# KiCad board PiEEG.kicad_pcb (continued)
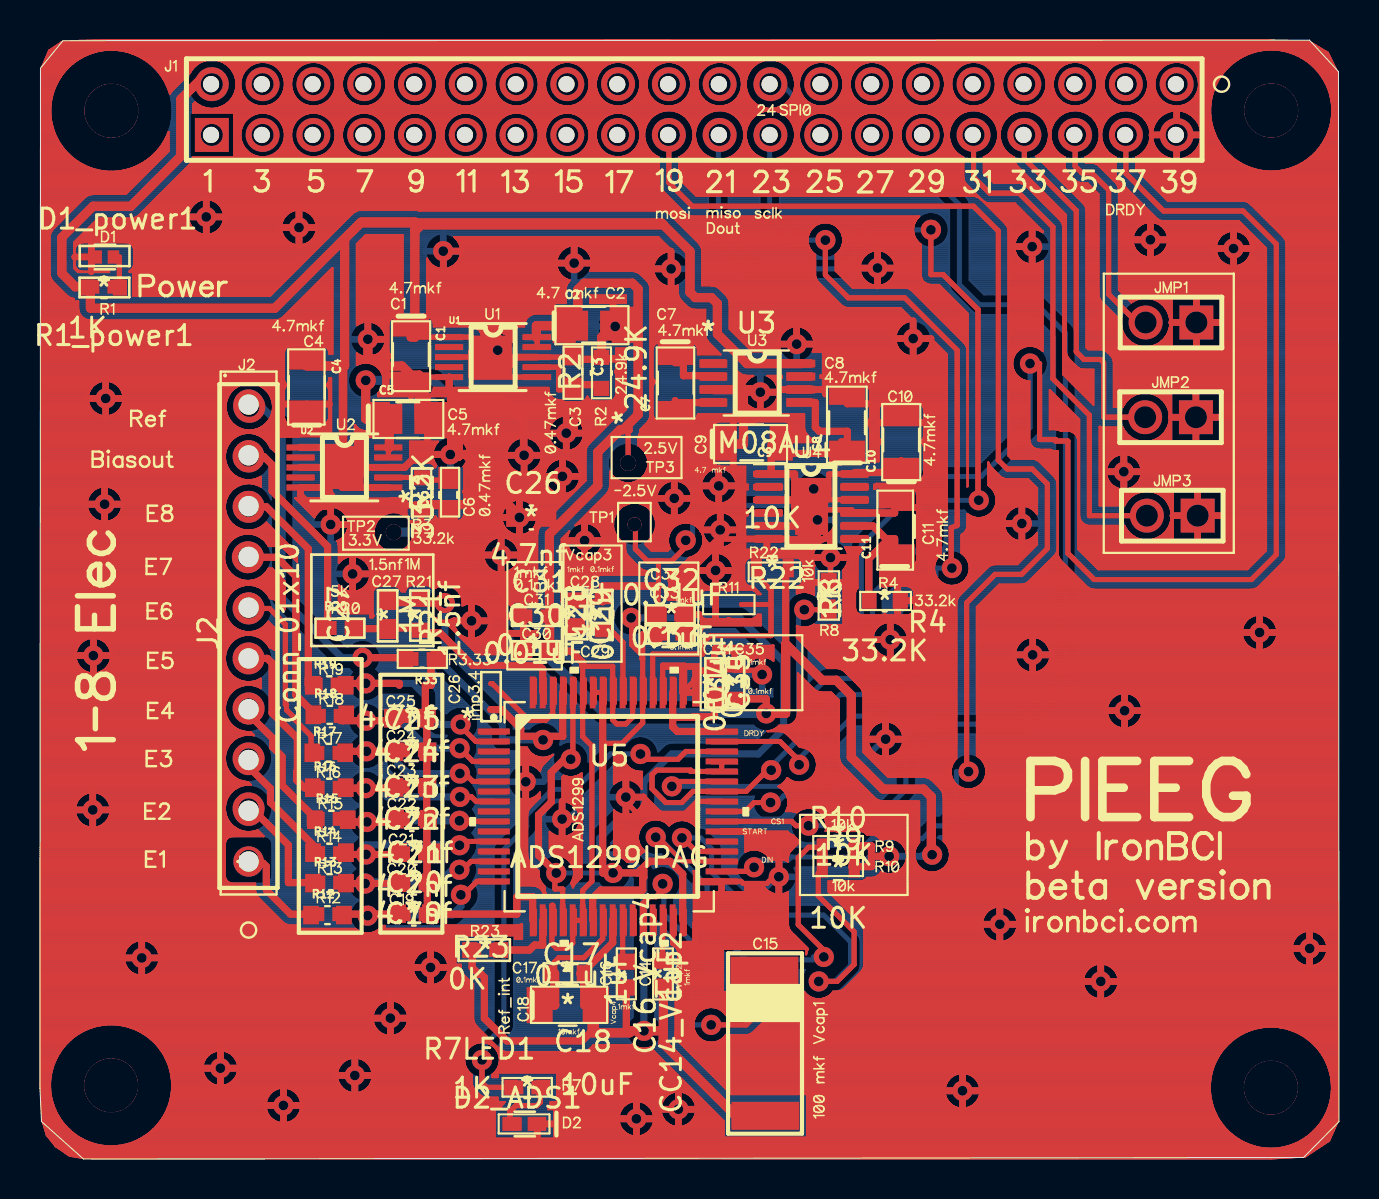
[diagram p0: board, top side]
## Routing (per net, layer and track width the routed paths; a pad name or vN(x,y) marks a point on that pad's centre or on a via; arc(x,y) is an arc through that point) (continued)
9.53,36.91 ; 21.96,5.83 22.01,5.84 ; 21.96,5.83 21.91,5.82 ; 21.96,5.83 21.91,5.82 ; 21.96,5.83 22.01,5.84 ; 22.01,5.84 22.06,5.85 ; 22.01,5.84 22.06,5.85 ; 39.18,52.66 39.08,52.66 ; 39.18,52.66 39.08,52.66 ; 39.18,52.66 39.27,52.68 ; 39.18,52.66 39.27,52.68 ; 39.08,52.66 38.98,52.66 ; 39.08,52.66 38.98,52.66 ; 12.2,38.45 12.21,38.49 ; 12.2,38.45 12.21,38.49 ; 12.2,38.45 12.2,37.13 ; 12.2,38.45 12.2,37.13 ; 12.21,38.49 12.22,38.53 ; 12.21,38.49 12.22,38.53 ; 25.97,15.19 26.02,15.18 ; 25.97,15.19 26.02,15.18 ; 25.97,15.19 25.92,15.2 ; 25.97,15.19 25.92,15.2 ; 26.02,15.18 26.07,15.17 ; 26.02,15.18 26.07,15.17 ; 36.61,13.3 36.54,13.33 ; 36.61,13.3 36.54,13.33 ; 36.61,13.3 36.67,13.27 ; 36.61,13.3 36.67,13.27 ; 36.54,13.33 36.48,13.36 ; 36.54,13.33 36.48,13.36 ; 49.19,25.99 49.25,26.02 ; 49.19,25.99 49.13,25.95 ; 49.19,25.99 49.13,25.95 ; 49.19,25.99 49.25,26.02 ; 49.25,26.02 49.32,26.05 ; 49.25,26.02 49.32,26.05 ; 26.32,35.42 26.25,35.43 ; 26.32,35.42 26.39,35.43 ; 26.32,35.42 26.25,35.43 ; 26.32,35.42 26.39,35.43 ; 26.25,35.43 26.18,35.44 ; 26.25,35.43 26.18,35.44 ; 40.88,52.94 40.81,53 ; 40.88,52.94 40.81,53 ; 40.88,52.94 40.96,52.87 ; 40.88,52.94 40.96,52.87 ; 40.81,53 40.74,53.08 ; 40.81,53 40.74,53.08 ; 33.15,28.82 33.11,28.87 ; 33.15,28.82 33.21,28.77 ; 33.15,28.82 33.11,28.87 ; 33.15,28.82 33.21,28.77 ; 33.11,28.87 33.06,28.93 ; 33.11,28.87 33.06,28.93 ; 25.5,33.53 25.45,33.58 ; 25.5,33.53 25.55,33.48 ; 25.5,33.53 25.45,33.58 ; 25.5,33.53 25.55,33.48 ; 25.45,33.58 25.41,33.64 ; 25.45,33.58 25.41,33.64 ; 35.42,15.44 35.47,15.45 ; 35.42,15.44 35.47,15.45 ; 35.42,15.44 35.37,15.42 ; 35.42,15.44 35.37,15.42 ; 35.47,15.45 35.52,15.46 ; 35.47,15.45 35.52,15.46 ; 38.14,17.52 38.19,17.53 ; 38.14,17.52 38.1,17.5 ; 38.14,17.52 38.19,17.53 ; 38.14,17.52 38.1,17.5 ; 38.19,17.53 38.24,17.55 ; 38.19,17.53 38.24,17.55 ; 11.24,52.34 11.33,52.33 ; 11.24,52.34 11.14,52.35 ; 11.24,52.34 11.33,52.33 ; 11.24,52.34 11.14,52.35 ; 11.33,52.33 11.43,52.31 ; 11.33,52.33 11.43,52.31 ; 51.42,40.09 51.4,40.12 ; 51.42,40.09 51.44,40.05 ; 51.42,40.09 51.4,40.12 ; 51.42,40.09 51.44,40.05 ; 51.4,40.12 51.38,40.15 ; 51.4,40.12 51.38,40.15 ; 17.29,41.05 17.29,40.98 ; 17.29,41.05 17.29,40.98 ; 17.29,41.05 17.29,41.12 ; 17.29,41.05 17.29,41.12 ; 17.29,40.98 17.29,40.91 ; 17.29,40.98 17.29,40.91 ; 51.81,52.47 51.91,52.46 ; 51.81,52.47 51.71,52.47 ; 51.81,52.47 51.91,52.46 ; 51.81,52.47 51.71,52.47 ; 51.91,52.46 52.01,52.45 ; 51.91,52.46 52.01,52.45 ; 2.07,1.02 1.94,1.1 ; 2.07,1.02 1.94,1.1 ; 17.2,53.25 17.15,53.16 ; 17.2,53.25 17.15,53.16 ; 17.2,53.25 17.24,53.34 ; 17.2,53.25 17.24,53.34 ; 17.15,53.16 17.09,53.08 ; 17.15,53.16 17.09,53.08 ; 9.44,18.19 9.5,18.27 ; 9.44,18.19 9.39,18.1 ; 9.44,18.19 9.5,18.27 ; 9.44,18.19 9.39,18.1 ; 9.5,18.27 9.56,18.35 ; 9.5,18.27 9.56,18.35 ; 54.33,23.32 54.4,23.31 ; 54.33,23.32 54.26,23.32 ; 54.33,23.32 54.4,23.31 ; 54.33,23.32 54.26,23.32 ; 54.4,23.31 54.46,23.3 ; 54.4,23.31 54.46,23.3 ; 22.3,29.76 22.27,29.82 ; 22.3,29.76 22.34,29.7 ; 22.3,29.76 22.27,29.82 ; 22.3,29.76 22.34,29.7 ; 22.27,29.82 22.24,29.89 ; 22.27,29.82 22.24,29.89 ; 30.02,34.01 29.97,33.97 ; 30.02,34.01 30.21,34.2 ; 30.02,34.01 30.21,34.2 ; 30.02,34.01 29.97,33.97 ; 29.97,33.97 29.91,33.94 ; 29.97,33.97 29.91,33.94 ; 35.28,30.49 35.28,32.21 ; 35.28,30.49 37.45,30.49 ; 35.28,30.49 37.45,30.49 ; 35.28,30.49 35.28,32.21 ; 35.28,32.21 35.4,32.21 ; 35.28,32.21 35.4,32.21 ; 30.25,34.25 30.21,34.2 ; 30.25,34.25 30.28,34.3 ; 30.25,34.25 30.21,34.2 ; 30.25,34.25 30.28,34.3 ; 28.19,29.23 30.42,29.23 ; 28.19,29.23 30.42,29.23 ; 28.19,29.23 28.09,29.23 ; 28.19,29.23 28.09,29.23 ; 30.42,29.23 30.42,29.41 ; 30.42,29.23 30.42,29.41 ; 26.52,30.41 26.48,30.47 ; 26.52,30.41 26.56,30.36 ; 26.52,30.41 26.56,30.36 ; 26.52,30.41 26.48,30.47 ; 26.48,30.47 26.45,30.53 ; 26.48,30.47 26.45,30.53 ; 10.79,26.41 10.69,26.39 ; 10.79,26.41 10.88,26.45 ; 10.79,26.41 10.88,26.45 ; 10.79,26.41 10.69,26.39 ; 10.69,26.39 10.59,26.37 ; 10.69,26.39 10.59,26.37 ; 21.52,26.03 21.45,26.04 ; 21.52,26.03 21.45,26.04 ; 21.52,26.03 21.59,26.03 ; 21.52,26.03 21.59,26.03 ; 21.45,26.04 21.38,26.06 ; 21.45,26.04 21.38,26.06 ; 36.82,50.03 36.72,50.01 ; 36.82,50.03 36.92,50.06 ; 36.82,50.03 36.92,50.06 ; 36.82,50.03 36.72,50.01 ; 32.55,50.66 32.5,50.57 ; 32.55,50.66 32.5,50.57 ; 32.55,50.66 32.59,50.75 ; 32.55,50.66 32.59,50.75 ; 32.5,50.57 32.44,50.49 ; 32.5,50.57 32.44,50.49 ; 51.3,49.47 51.29,49.51 ; 51.3,49.47 51.29,49.51 ; 51.3,49.47 51.32,49.44 ; 51.3,49.47 51.32,49.44 ; 51.29,49.51 51.28,49.55 ; 51.29,49.51 51.28,49.55 ; 13.59,47.23 13.64,47.18 ; 13.59,47.23 13.54,47.28 ; 13.59,47.23 13.54,47.28 ; 13.59,47.23 13.64,47.18 ; 13.64,47.18 13.68,47.12 ; 13.64,47.18 13.68,47.12 ; 41.22,9.61 41.21,9.58 ; 41.22,9.61 41.23,9.65 ; 41.22,9.61 41.21,9.58 ; 41.22,9.61 41.23,9.65 ; 41.21,9.58 41.19,9.54 ; 41.21,9.58 41.19,9.54 ; 46.91,32.07 46.86,32.07 ; 46.91,32.07 46.86,32.07 ; 46.91,32.07 46.96,32.07 ; 46.91,32.07 46.96,32.07 ; 46.86,32.07 46.81,32.08 ; 46.86,32.07 46.81,32.08 ; 28.18,52.07 28.26,52.14 ; 28.18,52.07 28.26,52.14 ; 28.18,52.07 28.11,52 ; 28.18,52.07 28.11,52 ; 28.26,52.14 28.34,52.19 ; 28.26,52.14 28.34,52.19 ; 26.4,33.3 26.33,33.28 ; 26.4,33.3 26.47,33.33 ; 26.4,33.3 26.47,33.33 ; 26.4,33.3 26.33,33.28 ; 26.33,33.28 26.26,33.27 ; 26.33,33.28 26.26,33.27 ; 16.95,50.4 16.87,50.33 ; 16.95,50.4 17.02,50.46 ; 16.95,50.4 17.02,50.46 ; 16.95,50.4 16.87,50.33 ; 16.87,50.33 16.79,50.28 ; 16.87,50.33 16.79,50.28 ; 36.9,30.1 37.83,30.1 ; 36.9,30.1 37.83,30.1 ; 36.9,30.1 36.84,30.09 ; 36.9,30.1 36.84,30.09 ; 37.83,30.1 37.89,30.09 ; 37.83,30.1 37.89,30.09 ; 33.32,28.69 33.26,28.73 ; 33.32,28.69 33.38,28.66 ; 33.32,28.69 33.26,28.73 ; 33.32,28.69 33.38,28.66 ; 33.26,28.73 33.21,28.77 ; 33.26,28.73 33.21,28.77 ; 54.13,33.49 54.06,33.5 ; 54.13,33.49 54.2,33.49 ; 54.13,33.49 54.2,33.49 ; 54.13,33.49 54.06,33.5 ; 54.06,33.5 53.99,33.52 ; 54.06,33.5 53.99,33.52 ; 0.91,2.17 0.84,2.3 ; 0.91,2.17 0.99,2.04 ; 0.91,2.17 0.84,2.3 ; 0.91,2.17 0.99,2.04 ; 0.84,2.3 0.77,2.43 ; 0.84,2.3 0.77,2.43 ; 38.78,52.31 38.88,52.33 ; 38.78,52.31 38.68,52.28 ; 38.78,52.31 38.88,52.33 ; 38.78,52.31 38.68,52.28 ; 38.88,52.33 38.98,52.34 ; 38.88,52.33 38.98,52.34 ; 3.36,31.88 3.29,31.87 ; 3.36,31.88 3.43,31.89 ; 3.36,31.88 3.29,31.87 ; 3.36,31.88 3.43,31.89 ; 3.29,31.87 3.22,31.87 ; 3.29,31.87 3.22,31.87 ; 12.39,3.55 12.46,3.53 ; 12.39,3.55 12.46,3.53 ; 12.39,3.55 12.32,3.56 ; 12.39,3.55 12.32,3.56 ; 12.46,3.53 12.53,3.5 ; 12.46,3.53 12.53,3.5 ; 6.34,53.74 6.4,53.6 ; 6.34,53.74 6.27,53.87 ; 6.34,53.74 6.4,53.6 ; 6.34,53.74 6.27,53.87 ; 6.4,53.6 6.45,53.46 ; 6.4,53.6 6.45,53.46 ; 15.96,5.05 16.03,5.03 ; 15.96,5.05 15.89,5.06 ; 15.96,5.05 16.03,5.03 ; 15.96,5.05 15.89,5.06 ; 16.03,5.03 16.09,5 ; 16.03,5.03 16.09,5 ; 47.14,19.94 47.17,19.9 ; 47.14,19.94 47.11,19.98 ; 47.14,19.94 47.11,19.98 ; 47.14,19.94 47.17,19.9 ; 47.17,19.9 47.2,19.86 ; 47.17,19.9 47.2,19.86 ; 42.49,53.08 42.42,53 ; 42.49,53.08 42.55,53.16 ; 42.49,53.08 42.55,53.16 ; 42.49,53.08 42.42,53 ; 42.42,53 42.35,52.94 ; 42.42,53 42.35,52.94 ; 47.44,29.64 47.47,29.66 ; 47.44,29.64 47.41,29.61 ; 47.44,29.64 47.47,29.66 ; 47.44,29.64 47.41,29.61 ; 47.47,29.66 47.5,29.68 ; 47.47,29.66 47.5,29.68 ; 60.25,26.81 60.28,26.87 ; 60.25,26.81 60.28,26.87 ; 60.28,26.87 60.33,26.93 ; 60.28,26.87 60.33,26.93 ; 64.39,10.67 64.39,10.6 ; 64.39,10.67 64.39,10.6 ; 64.39,10.67 64.37,10.74 ; 64.39,10.67 64.37,10.74 ; 64.39,10.6 64.4,10.53 ; 64.39,10.6 64.4,10.53 ; 28.34,54.73 28.43,54.78 ; 28.34,54.73 28.43,54.78 ; 28.43,54.78 28.52,54.82 ; 28.43,54.78 28.52,54.82 ; 53.64,35.07 53.69,35.11 ; 53.64,35.07 53.59,35.02 ; 53.64,35.07 53.69,35.11 ; 53.64,35.07 53.59,35.02 ; 53.69,35.11 53.75,35.15 ; 53.69,35.11 53.75,35.15 ; 25.24,34.16 25.24,34.23 ; 25.24,34.16 25.24,34.09 ; 25.24,34.16 25.24,34.09 ; 25.24,34.16 25.24,34.23 ; 25.24,34.23 25.25,34.3 ; 25.24,34.23 25.25,34.3 ; 63.81,50.37 63.71,50.26 ; 63.81,50.37 63.91,50.48 ; 63.81,50.37 63.91,50.48 ; 63.81,50.37 63.71,50.26 ; 63.71,50.26 63.59,50.16 ; 63.71,50.26 63.59,50.16 ; 28.67,31.62 28.67,31.92 ; 28.67,31.62 28.67,31.56 ; 28.67,31.62 28.67,31.92 ; 28.67,31.62 28.67,31.56 ; 28.67,31.92 28.68,31.98 ; 28.67,31.92 28.68,31.98 ; 0.82,5.05 0.89,5.18 ; 0.82,5.05 0.89,5.18 ; 0.82,5.05 0.76,4.91 ; 0.82,5.05 0.76,4.91 ; 0.89,5.18 0.97,5.31 ; 0.89,5.18 0.97,5.31 ; 30.5,16.94 30.55,16.96 ; 30.5,16.94 30.45,16.93 ; 30.5,16.94 30.45,16.93 ; 30.5,16.94 30.55,16.96 ; 30.55,16.96 30.6,16.97 ; 30.55,16.96 30.6,16.97 ; 27.59,31.76 27.65,31.73 ; 27.59,31.76 27.52,31.79 ; 27.59,31.76 27.52,31.79 ; 27.59,31.76 27.65,31.73 ; 27.65,31.73 27.71,31.7 ; 27.65,31.73 27.71,31.7 ; 44.19,36.04 44.17,36 ; 44.19,36.04 44.17,36 ; 44.19,36.04 44.2,36.08 ; 44.19,36.04 44.2,36.08 ; 44.17,36 44.15,35.97 ; 44.17,36 44.15,35.97 ; 52.71,54.39 52.76,54.3 ; 52.71,54.39 52.65,54.47 ; 52.71,54.39 52.76,54.3 ; 52.71,54.39 52.65,54.47 ; 52.76,54.3 52.8,54.21 ; 52.76,54.3 52.8,54.21 ; 46.45,18.49 46.4,18.49 ; 46.45,18.49 46.5,18.49 ; 46.45,18.49 46.5,18.49 ; 46.45,18.49 46.4,18.49 ; 46.4,18.49 46.35,18.5 ; 46.4,18.49 46.35,18.5 ; 23.69,40.87 23.72,40.81 ; 23.69,40.87 23.65,40.94 ; 23.69,40.87 23.72,40.81 ; 23.69,40.87 23.65,40.94 ; 23.72,40.81 23.74,40.75 ; 23.72,40.81 23.74,40.75 ; 48.29,31.45 48.26,31.52 ; 48.29,31.45 48.26,31.52 ; 48.29,31.45 48.32,31.39 ; 48.29,31.45 48.32,31.39 ; 48.26,31.52 48.25,31.58 ; 48.26,31.52 48.25,31.58 ; 46,28.76 45.95,28.74 ; 46,28.76 46.04,28.78 ; 46,28.76 46.04,28.78 ; 46,28.76 45.95,28.74 ; 45.95,28.74 45.91,28.72 ; 45.95,28.74 45.91,28.72 ; 11.22,26.66 11.14,26.6 ; 11.22,26.66 11.29,26.73 ; 11.22,26.66 11.29,26.73 ; 11.22,26.66 11.14,26.6 ; 11.14,26.6 11.06,26.54 ; 11.14,26.6 11.06,26.54 ; 46.67,4.13 46.73,4.09 ; 46.67,4.13 46.61,4.17 ; 46.67,4.13 46.61,4.17 ; 46.67,4.13 46.73,4.09 ; 46.73,4.09 46.78,4.04 ; 46.73,4.09 46.78,4.04 ; 37.77,53.88 37.77,53.77 ; 37.77,53.88 37.77,53.77 ; 37.77,53.88 37.75,53.98 ; 37.77,53.88 37.75,53.98 ; 37.77,53.77 37.77,53.72 ; 37.77,53.77 37.77,53.72 ; 27.17,36.59 27.19,36.52 ; 27.17,36.59 27.19,36.52 ; 27.17,36.59 27.15,36.65 ; 27.17,36.59 27.15,36.65 ; 27.19,36.52 27.21,36.45 ; 27.19,36.52 27.21,36.45 ; 50.72,51.87 50.78,51.96 ; 50.72,51.87 50.78,51.96 ; 50.72,51.87 50.67,51.79 ; 50.72,51.87 50.67,51.79 ; 50.78,51.96 50.84,52.04 ; 50.78,51.96 50.84,52.04 ; 32.2,33.81 32.25,33.77 ; 32.2,33.81 32.25,33.77 ; 32.2,33.81 32.14,33.85 ; 32.2,33.81 32.14,33.85 ; 32.25,33.77 32.31,33.73 ; 32.25,33.77 32.31,33.73 ; 37.62,21.77 37.57,21.75 ; 37.62,21.77 37.66,21.8 ; 37.62,21.77 37.66,21.8 ; 37.62,21.77 37.57,21.75 ; 37.57,21.75 37.53,21.73 ; 37.57,21.75 37.53,21.73 ; 38.33,26.6 38.28,26.59 ; 38.33,26.6 38.38,26.6 ; 38.33,26.6 38.28,26.59 ; 38.33,26.6 38.38,26.6 ; 38.28,26.59 38.23,26.59 ; 38.28,26.59 38.23,26.59 ; 9.32,17.13 9.29,17.23 ; 9.32,17.13 9.36,17.04 ; 9.32,17.13 9.36,17.04 ; 9.32,17.13 9.29,17.23 ; 9.29,17.23 9.27,17.33 ; 9.29,17.23 9.27,17.33 ; 19.01,8.87 18.95,8.91 ; 19.01,8.87 19.06,8.83 ; 19.01,8.87 18.95,8.91 ; 19.01,8.87 19.06,8.83 ; 18.95,8.91 18.9,8.96 ; 18.95,8.91 18.9,8.96 ; 43.71,28.42 43.73,28.38 ; 43.71,28.42 43.7,28.45 ; 43.71,28.42 43.7,28.45 ; 43.71,28.42 43.73,28.38 ; 43.73,28.38 43.73,28.34 ; 43.73,28.38 43.73,28.34 ; 60.63,0.67 60.49,0.71 ; 60.63,0.67 60.77,0.62 ; 60.63,0.67 60.49,0.71 ; 60.63,0.67 60.77,0.62 ; 60.49,0.71 60.35,0.77 ; 60.49,0.71 60.35,0.77 ; 21.77,6.71 21.75,6.75 ; 21.77,6.71 21.75,6.75 ; 21.77,6.71 21.8,6.68 ; 21.77,6.71 21.8,6.68 ; 21.75,6.75 21.73,6.79 ; 21.75,6.75 21.73,6.79 ; 39.39,38.73 39.43,38.75 ; 39.39,38.73 39.36,38.7 ; 39.39,38.73 39.36,38.7 ; 39.39,38.73 39.43,38.75 ; 39.43,38.75 39.46,38.77 ; 39.43,38.75 39.46,38.77 ; 11.3,2.55 11.29,2.62 ; 11.3,2.55 11.29,2.62 ; 33.14,5.93 33.1,5.96 ; 33.14,5.93 33.19,5.91 ; 33.14,5.93 33.1,5.96 ; 33.14,5.93 33.19,5.91 ; 33.1,5.96 33.06,5.98 ; 33.1,5.96 33.06,5.98 ; 25.34,13.21 25.32,13.24 ; 25.34,13.21 25.37,13.18 ; 25.34,13.21 25.37,13.18 ; 25.34,13.21 25.32,13.24 ; 25.32,13.24 25.3,13.28 ; 25.32,13.24 25.3,13.28 ; 25.87,44.55 25.85,44.62 ; 25.87,44.55 25.85,44.62 ; 25.87,44.55 25.89,44.49 ; 25.87,44.55 25.89,44.49 ; 25.85,44.62 25.84,44.69 ; 25.85,44.62 25.84,44.69 ; 25.36,20.1 25.31,20.09 ; 25.36,20.1 25.41,20.11 ; 25.36,20.1 25.31,20.09 ; 25.36,20.1 25.41,20.11 ; 25.31,20.09 25.26,20.08 ; 25.31,20.09 25.26,20.08 ; 10.02,53.72 10.02,53.82 ; 10.02,53.72 10.03,53.62 ; 10.02,53.72 10.03,53.62 ; 10.02,53.72 10.02,53.82 ; 10.02,53.82 10.03,53.92 ; 10.02,53.82 10.03,53.92 ; 38.34,52.07 38.42,52.14 ; 38.34,52.07 38.27,52 ; 38.34,52.07 38.42,52.14 ; 38.34,52.07 38.27,52 ; 38.42,52.14 38.5,52.19 ; 38.42,52.14 38.5,52.19 ; 12.42,45.89 12.37,45.93 ; 12.42,45.89 12.48,45.85 ; 12.42,45.89 12.48,45.85 ; 12.42,45.89 12.37,45.93 ; 12.37,45.93 12.32,45.98 ; 12.37,45.93 12.32,45.98 ; 16.22,52.35 16.32,52.34 ; 16.22,52.35 16.32,52.34 ; 16.22,52.35 16.12,52.34 ; 16.22,52.35 16.12,52.34 ; 16.32,52.34 16.41,52.33 ; 16.32,52.34 16.41,52.33 ; 51.38,54.82 51.48,54.85 ; 51.38,54.82 51.29,54.78 ; 51.38,54.82 51.48,54.85 ; 51.38,54.82 51.29,54.78 ; 51.48,54.85 51.58,54.87 ; 51.48,54.85 51.58,54.87 ; 29.29,14.95 29.33,14.91 ; 29.29,14.95 29.25,14.98 ; 29.29,14.95 29.33,14.91 ; 29.29,14.95 29.25,14.98 ; 29.33,14.91 29.36,14.87 ; 29.33,14.91 29.36,14.87 ; 31.42,30.8 31.41,30.85 ; 31.42,30.8 31.43,30.75 ; 31.42,30.8 31.41,30.85 ; 31.42,30.8 31.43,30.75 ; 31.41,30.85 31.41,30.9 ; 31.41,30.85 31.41,30.9 ; 53.38,52.04 53.45,52.11 ; 53.38,52.04 53.32,51.96 ; 53.38,52.04 53.45,52.11 ; 53.38,52.04 53.32,51.96 ; 53.45,52.11 53.52,52.18 ; 53.45,52.11 53.52,52.18 ; 47.93,51.23 47.93,51.13 ; 47.93,51.23 47.93,51.34 ; 47.93,51.23 47.93,51.13 ; 47.93,51.23 47.93,51.34 ; 47.93,51.13 47.91,51.03 ; 47.93,51.13 47.91,51.03 ; 2.52,37.59 2.49,37.65 ; 2.52,37.59 2.56,37.53 ; 2.52,37.59 2.56,37.53 ; 2.52,37.59 2.49,37.65 ; 2.49,37.65 2.46,37.71 ; 2.49,37.65 2.46,37.71 ; 36.68,30.05 36.73,30.06 ; 36.68,30.05 36.65,30.07 ; 36.68,30.05 36.65,30.07 ; 36.68,30.05 36.73,30.06 ; 36.73,30.06 36.79,30.08 ; 36.73,30.06 36.79,30.08 ; 15.73,52.77 15.64,52.82 ; 15.73,52.77 15.82,52.73 ; 15.73,52.77 15.64,52.82 ; 15.73,52.77 15.82,52.73 ; 15.64,52.82 15.56,52.87 ; 15.64,52.82 15.56,52.87 ; 19.94,44.56 19.88,44.58 ; 19.94,44.56 19.88,44.58 ; 19.94,44.56 20.01,44.54 ; 19.94,44.56 20.01,44.54 ; 19.88,44.58 19.81,44.6 ; 19.88,44.58 19.81,44.6 ; 32.08,42.93 32.05,42.96 ; 32.08,42.93 32.31,42.7 ; 32.08,42.93 32.05,42.96 ; 32.08,42.93 32.31,42.7 ; 32.05,42.96 32.02,43 ; 32.05,42.96 32.02,43 ; 9.25,17.52 9.25,17.62 ; 9.25,17.52 9.26,17.43 ; 9.25,17.52 9.26,17.43 ; 9.25,17.52 9.25,17.62 ; 9.25,17.62 9.26,17.72 ; 9.25,17.62 9.26,17.72 ; 53.75,35.15 53.81,35.18 ; 53.75,35.15 53.81,35.18 ; 53.81,35.18 53.88,35.21 ; 53.81,35.18 53.88,35.21 ; 7.56,49.85 7.54,49.81 ; 7.56,49.85 7.59,49.89 ; 7.56,49.85 7.59,49.89 ; 7.56,49.85 7.54,49.81 ; 7.54,49.81 7.51,49.77 ; 7.54,49.81 7.51,49.77 ; 12.33,47.24 12.38,47.28 ; 12.33,47.24 12.28,47.19 ; 12.33,47.24 12.38,47.28 ; 12.33,47.24 12.28,47.19 ; 12.38,47.28 12.44,47.33 ; 12.38,47.28 12.44,47.33 ; 53.58,52.94 53.51,53 ; 53.58,52.94 53.66,52.87 ; 53.58,52.94 53.51,53 ; 53.58,52.94 53.66,52.87 ; 53.51,53 53.44,53.08 ; 53.51,53 53.44,53.08 ; 29.72,53 29.65,52.94 ; 29.72,53 29.79,53.08 ; 29.72,53 29.79,53.08 ; 29.72,53 29.65,52.94 ; 29.65,52.94 29.57,52.87 ; 29.65,52.94 29.57,52.87 ; 28.94,2.02 28.94,2.09 ; 28.94,2.02 28.94,2.09 ; 28.94,2.02 28.94,1.95 ; 28.94,2.02 28.94,1.95 ; 28.94,2.09 28.95,2.16 ; 28.94,2.09 28.95,2.16 ; 9.31,35.52 9.35,35.61 ; 9.31,35.52 9.28,35.42 ; 9.31,35.52 9.35,35.61 ; 9.31,35.52 9.28,35.42 ; 9.35,35.61 9.39,35.7 ; 9.35,35.61 9.39,35.7 ; 64.09,11.21 64.14,11.16 ; 64.09,11.21 64.03,11.25 ; 64.09,11.21 64.03,11.25 ; 64.09,11.21 64.14,11.16 ; 64.14,11.16 64.19,11.11 ; 64.14,11.16 64.19,11.11 ; 45.85,27.95 45.86,27.99 ; 45.85,27.95 45.86,27.99 ; 45.85,27.95 45.85,27.91 ; 45.85,27.95 45.85,27.91 ; 45.86,27.99 45.88,28.02 ; 45.86,27.99 45.88,28.02 ; 8.27,5.02 8.31,5.08 ; 8.27,5.02 8.23,4.96 ; 8.27,5.02 8.23,4.96 ; 8.27,5.02 8.31,5.08 ; 8.31,5.08 8.35,5.13 ; 8.31,5.08 8.35,5.13 ; 42.77,44.43 42.76,44.36 ; 42.77,44.43 42.76,44.36 ; 42.77,44.43 42.78,44.5 ; 42.77,44.43 42.78,44.5 ; 42.76,44.36 42.74,44.29 ; 42.76,44.36 42.74,44.29 ; 51.92,39.59 51.88,39.61 ; 51.92,39.59 51.88,39.61 ; 51.92,39.59 51.95,39.56 ; 51.92,39.59 51.95,39.56 ; 51.88,39.61 51.82,39.67 ; 51.88,39.61 51.82,39.67 ; 59.62,44.66 59.55,44.67 ; 59.62,44.66 59.69,44.66 ; 59.62,44.66 59.55,44.67 ; 59.62,44.66 59.69,44.66 ; 59.55,44.67 59.48,44.69 ; 59.55,44.67 59.48,44.69 ; 25.72,52.14 25.8,52.19 ; 25.72,52.14 25.64,52.07 ; 25.72,52.14 25.64,52.07 ; 25.72,52.14 25.8,52.19 ; 25.8,52.19 25.89,52.24 ; 25.8,52.19 25.89,52.24 ; 47.04,20.05 47.07,20.02 ; 47.04,20.05 47,20.08 ; 47.04,20.05 47.07,20.02 ; 47.04,20.05 47,20.08 ; 47.07,20.02 47.11,19.98 ; 47.07,20.02 47.11,19.98 ; 61.96,0.54 62.11,0.57 ; 61.96,0.54 62.11,0.57 ; 43.59,43.47 43.65,43.41 ; 43.59,43.47 43.65,43.41 ; 43.59,43.47 43.56,43.5 ; 43.59,43.47 43.56,43.5 ; 43.65,43.41 46.24,40.83 ; 43.65,43.41 46.24,40.83 ; 48.85,49.71 48.82,49.74 ; 48.85,49.71 48.87,49.68 ; 48.85,49.71 48.82,49.74 ; 48.85,49.71 48.87,49.68 ; 48.82,49.74 48.8,49.78 ; 48.82,49.74 48.8,49.78 ; 10.02,51.18 10.02,51.28 ; 10.02,51.18 10.03,51.08 ; 10.02,51.18 10.02,51.28 ; 10.02,51.18 10.03,51.08 ; 10.02,51.28 10.03,51.38 ; 10.02,51.28 10.03,51.38 ; 6.53,4.37 6.56,4.22 ; 6.53,4.37 6.56,4.22 ; 6.53,4.37 6.5,4.51 ; 6.53,4.37 6.5,4.51 ; 6.56,4.22 6.59,4.07 ; 6.56,4.22 6.59,4.07 ; 41.34,16.25 41.38,16.23 ; 41.34,16.25 41.32,16.27 ; 41.34,16.25 41.32,16.27 ; 41.34,16.25 41.38,16.23 ; 41.38,16.23 41.59,16.23 ; 41.38,16.23 41.59,16.23 ; 51.02,50.26 51.1,50.2 ; 51.02,50.26 51.1,50.2 ; 22.99,4.81 22.98,4.76 ; 22.99,4.81 23,4.86 ; 22.99,4.81 22.98,4.76 ; 22.99,4.81 23,4.86 ; 22.98,4.76 22.97,4.71 ; 22.98,4.76 22.97,4.71 ; 15.01,32.5 15.07,32.46 ; 15.01,32.5 14.95,32.54 ; 15.01,32.5 14.95,32.54 ; 15.01,32.5 15.07,32.46 ; 15.07,32.46 15.13,32.42 ; 15.07,32.46 15.13,32.42 ; 43.64,33.6 43.68,33.58 ; 43.64,33.6 43.68,33.58 ; 43.68,33.58 43.71,33.56 ; 43.68,33.58 43.71,33.56 ; 42.01,35.98 41.99,36.01 ; 42.01,35.98 42.03,35.95 ; 42.01,35.98 41.99,36.01 ; 42.01,35.98 42.03,35.95 ; 41.99,36.01 41.97,36.05 ; 41.99,36.01 41.97,36.05 ; 47.5,47.81 47.46,47.81 ; 47.5,47.81 47.46,47.81 ; 9.63,31.76 9.56,31.83 ; 9.63,31.76 9.56,31.83 ; 9.63,31.76 9.7,31.7 ; 9.63,31.76 9.7,31.7 ; 9.56,31.83 9.49,31.91 ; 9.56,31.83 9.49,31.91 ; 43.69,46.34 43.68,46.39 ; 43.69,46.34 43.7,46.29 ; 43.69,46.34 43.7,46.29 ; 43.69,46.34 43.68,46.39 ; 43.68,46.39 43.67,46.44 ; 43.68,46.39 43.67,46.44 ; 42.42,16.04 42.47,16.04 ; 42.42,16.04 42.37,16.03 ; 42.42,16.04 42.47,16.04 ; 42.42,16.04 42.37,16.03 ; 42.47,16.04 42.52,16.04 ; 42.47,16.04 42.52,16.04 ; 26.65,17.72 26.71,17.68 ; 26.65,17.72 26.6,17.76 ; 26.65,17.72 26.6,17.76 ; 26.65,17.72 26.71,17.68 ; 26.71,17.68 26.76,17.63 ; 26.71,17.68 26.76,17.63 ; 6.55,53.38 6.58,53.42 ; 6.55,53.38 6.52,53.34 ; 6.55,53.38 6.52,53.34 ; 6.55,53.38 6.58,53.42 ; 6.58,53.42 6.65,53.49 ; 6.58,53.42 6.65,53.49 ; 31.1,33.69 31.15,33.74 ; 31.1,33.69 31.05,33.64 ; 31.1,33.69 31.05,33.64 ; 31.1,33.69 31.15,33.74 ; 31.15,33.74 31.21,33.78 ; 31.15,33.74 31.21,33.78 ; 20.75,36.11 20.82,36.09 ; 20.75,36.11 20.68,36.13 ; 20.75,36.11 20.82,36.09 ; 20.75,36.11 20.68,36.13 ; 20.82,36.09 20.88,36.07 ; 20.82,36.09 20.88,36.07 ; 13.82,46.38 13.8,46.32 ; 13.82,46.38 13.8,46.32 ; 13.82,46.38 13.83,46.45 ; 13.82,46.38 13.83,46.45 ; 13.8,46.32 13.77,46.25 ; 13.8,46.32 13.77,46.25 ; 38.98,52.34 39.08,52.35 ; 38.98,52.34 39.08,52.35 ; 55.69,46.87 55.76,46.85 ; 55.69,46.87 55.62,46.88 ; 55.69,46.87 55.76,46.85 ; 55.69,46.87 55.62,46.88 ; 55.76,46.85 55.82,46.83 ; 55.76,46.85 55.82,46.83 ; 17.26,41.25 17.27,41.19 ; 17.26,41.25 17.27,41.19 ; 17.26,41.25 17.24,41.32 ; 17.26,41.25 17.24,41.32 ; 17.27,41.19 17.29,41.12 ; 17.27,41.19 17.29,41.12 ; 16.79,52.19 16.87,52.13 ; 16.79,52.19 16.7,52.24 ; 16.79,52.19 16.87,52.13 ; 16.79,52.19 16.7,52.24 ; 16.87,52.13 16.95,52.07 ; 16.87,52.13 16.95,52.07 ; 39.38,46.86 39.43,46.85 ; 39.38,46.86 39.33,46.86 ; 39.38,46.86 39.33,46.86 ; 39.38,46.86 39.43,46.85 